# Altium PCB Inverter_540VDC_V2_TEST.PcbDoc
Units mm, origin at the board's own origin, x right, y up, seen from the top; angles counter-clockwise.
Board outline 100 x 100 mm, 2 copper layers (Top Layer, Bottom Layer), stack 2.071 mm thick; 124 components, 72 nets, 330 pads, 78 vias.
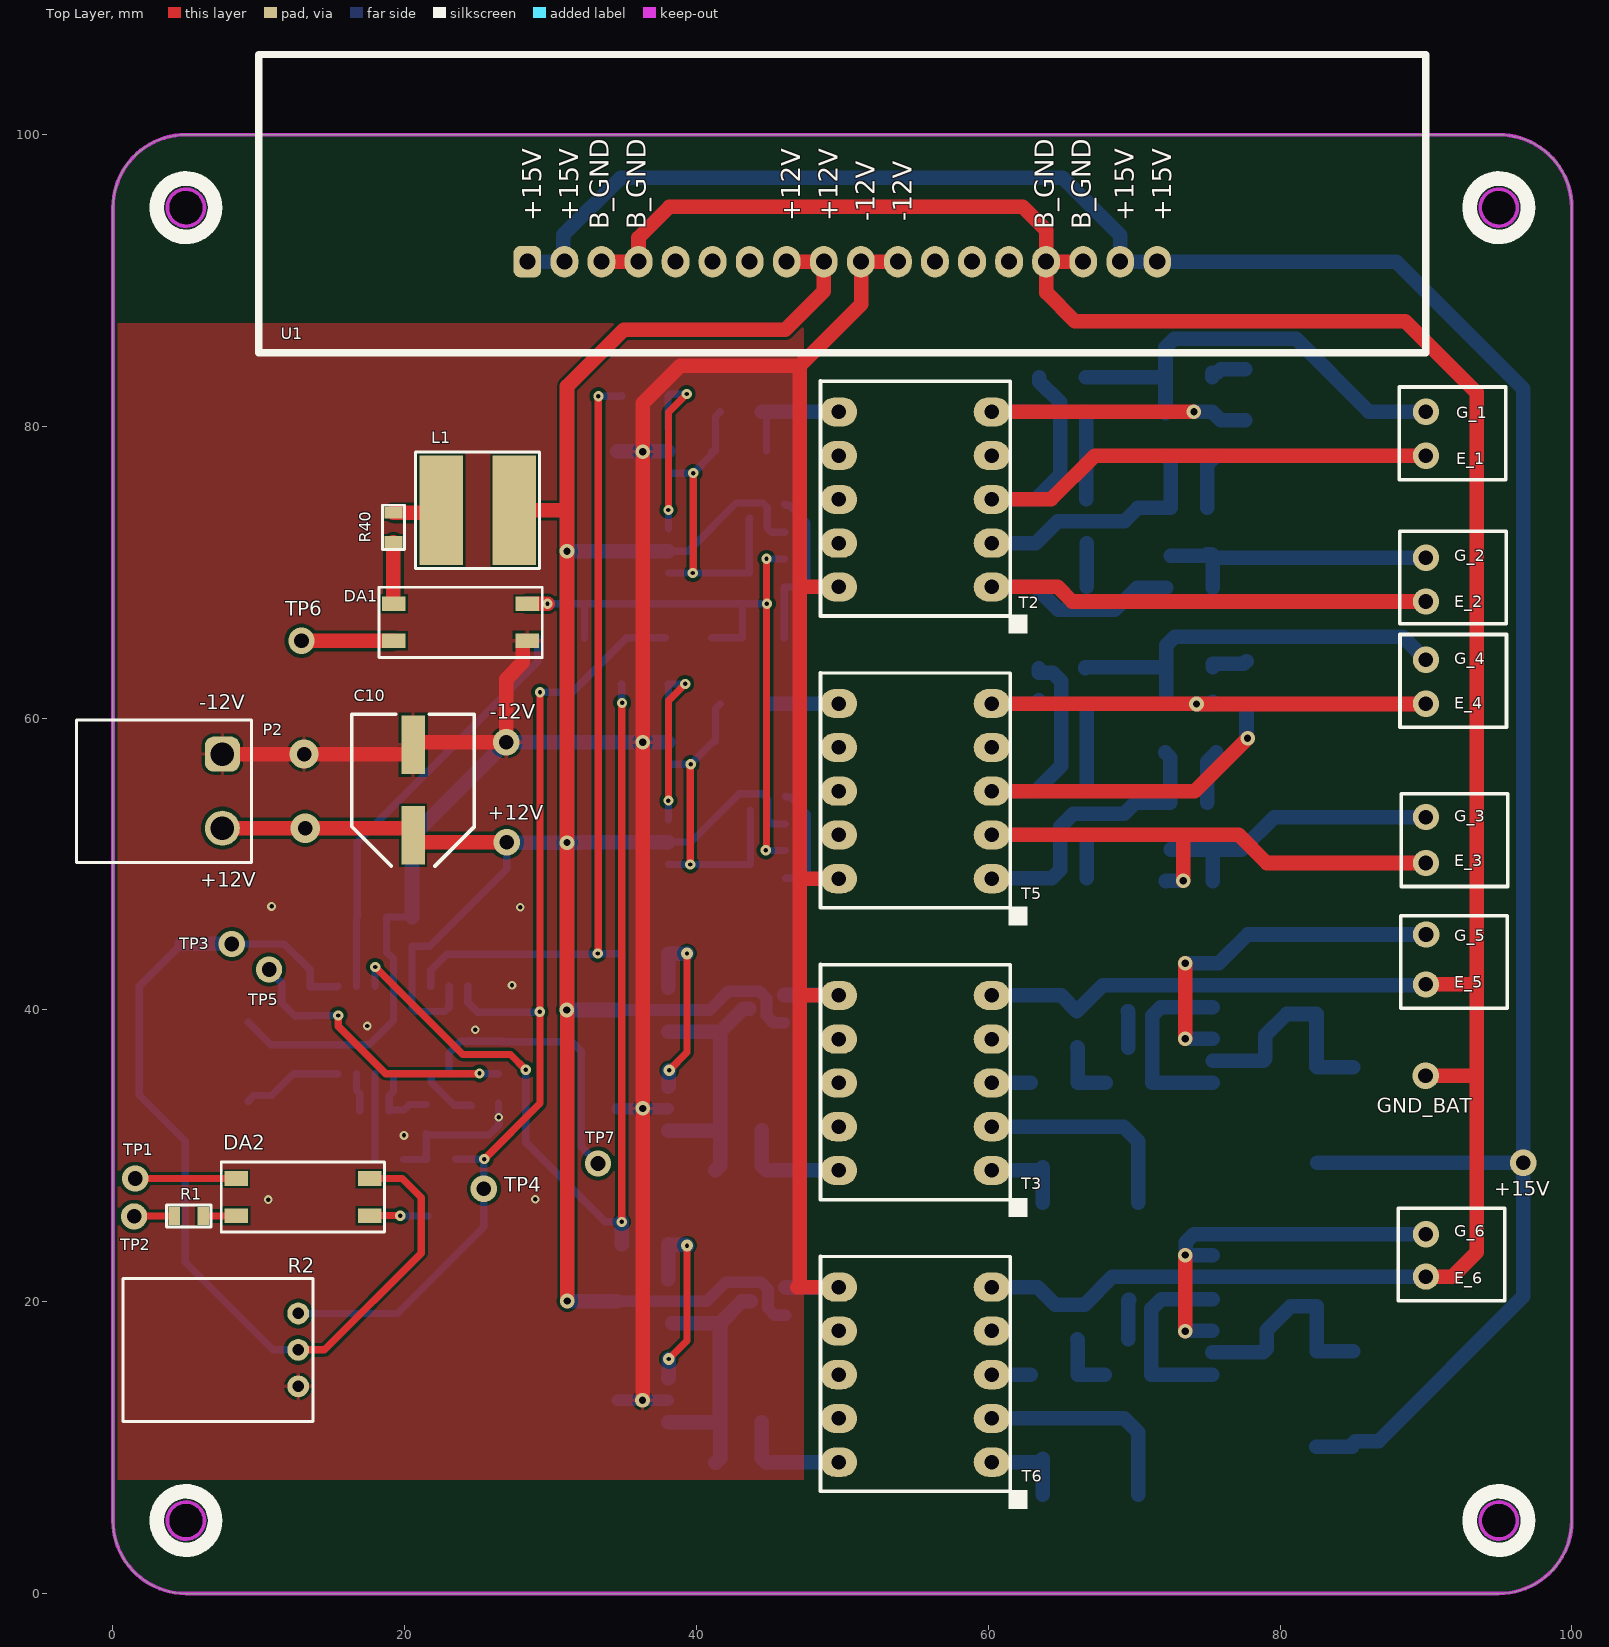
[diagram p0: Top Layer view]
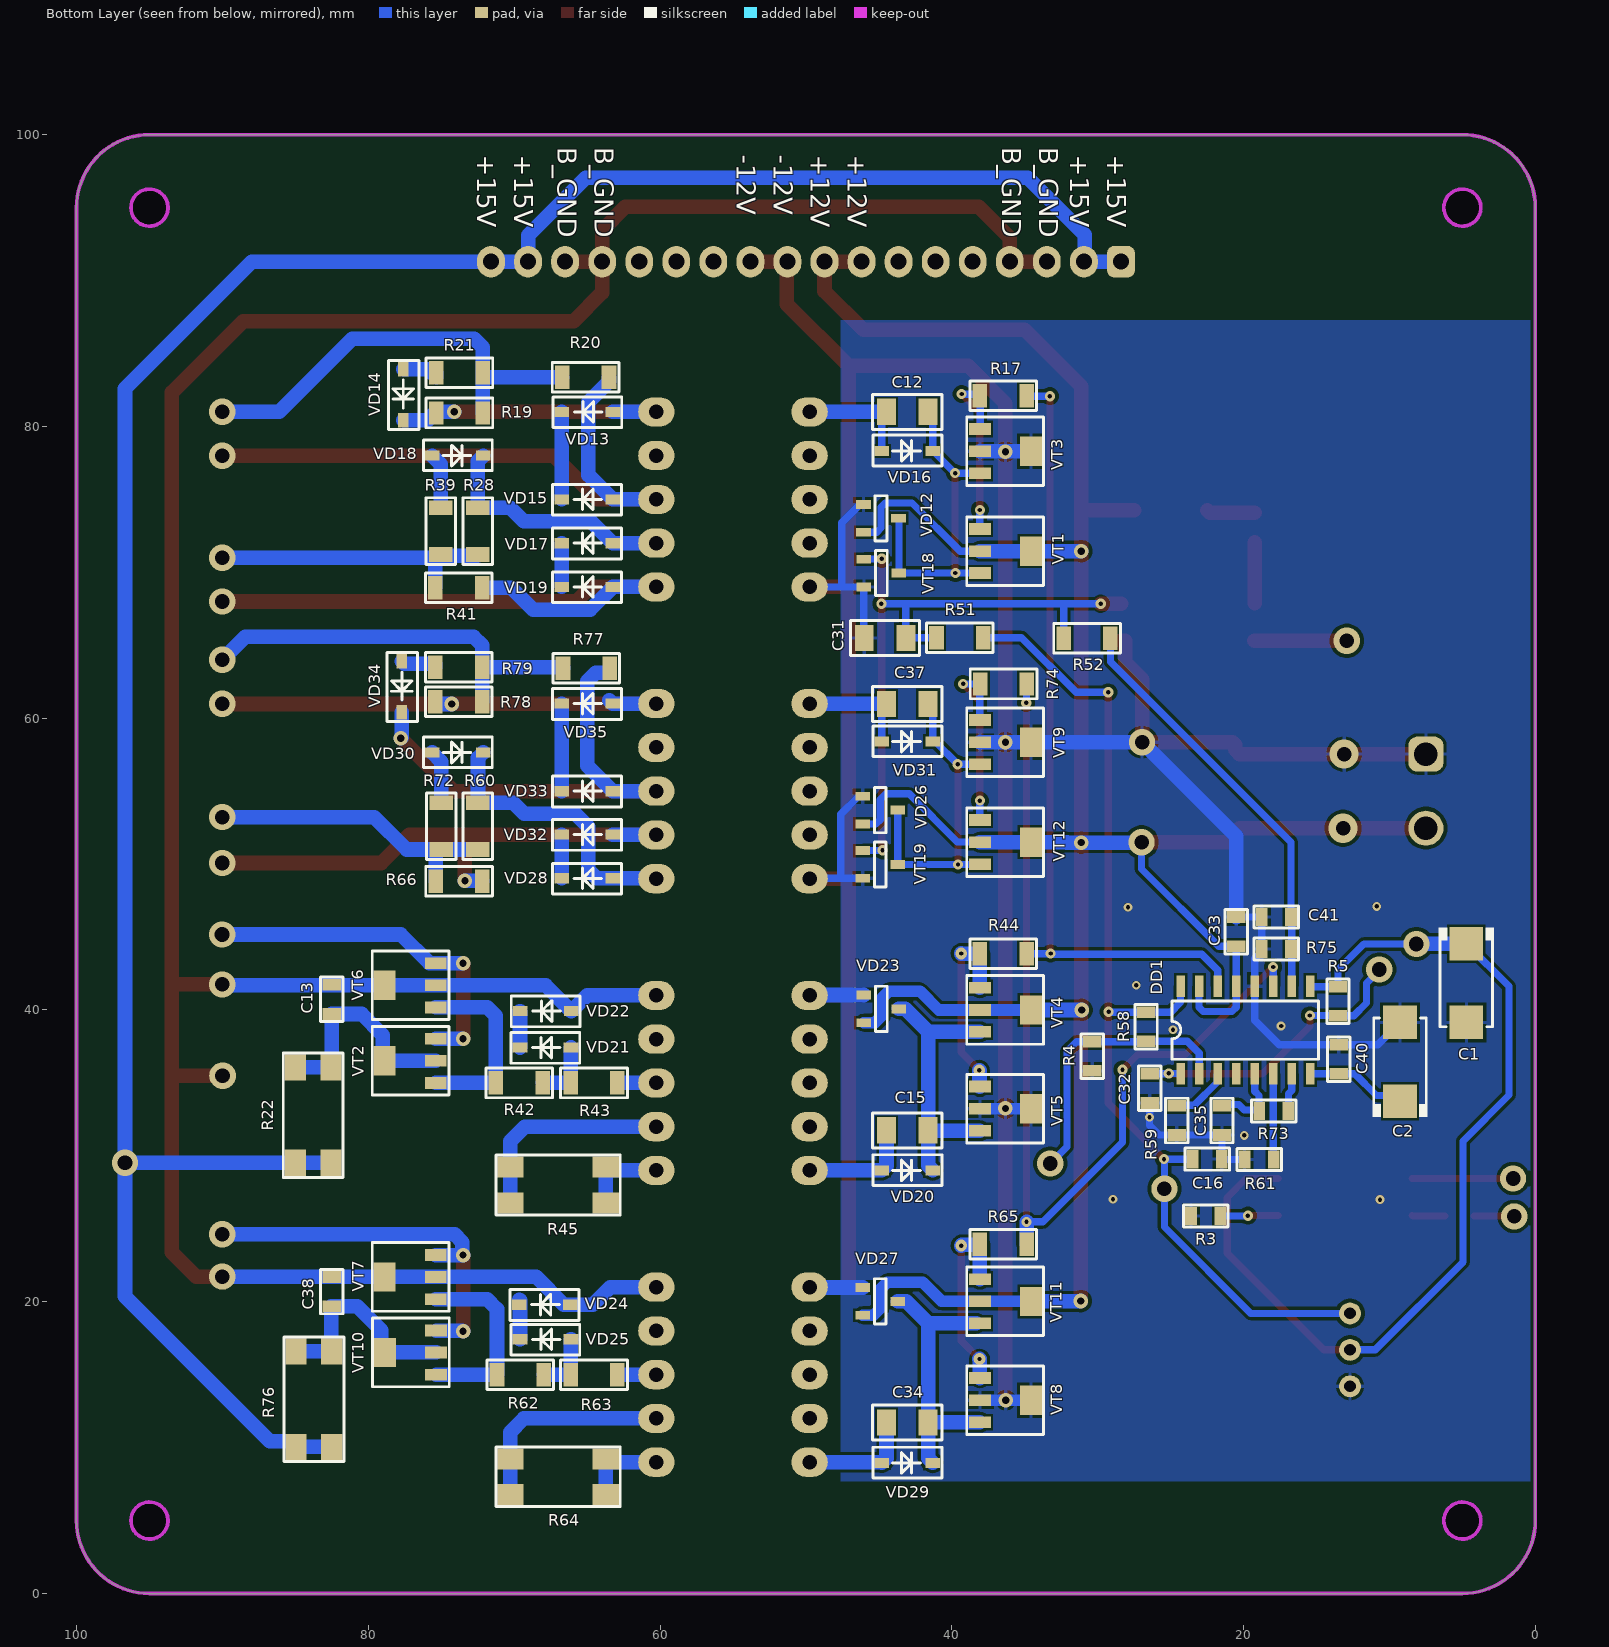
[diagram p1: Bottom Layer view, seen from below]
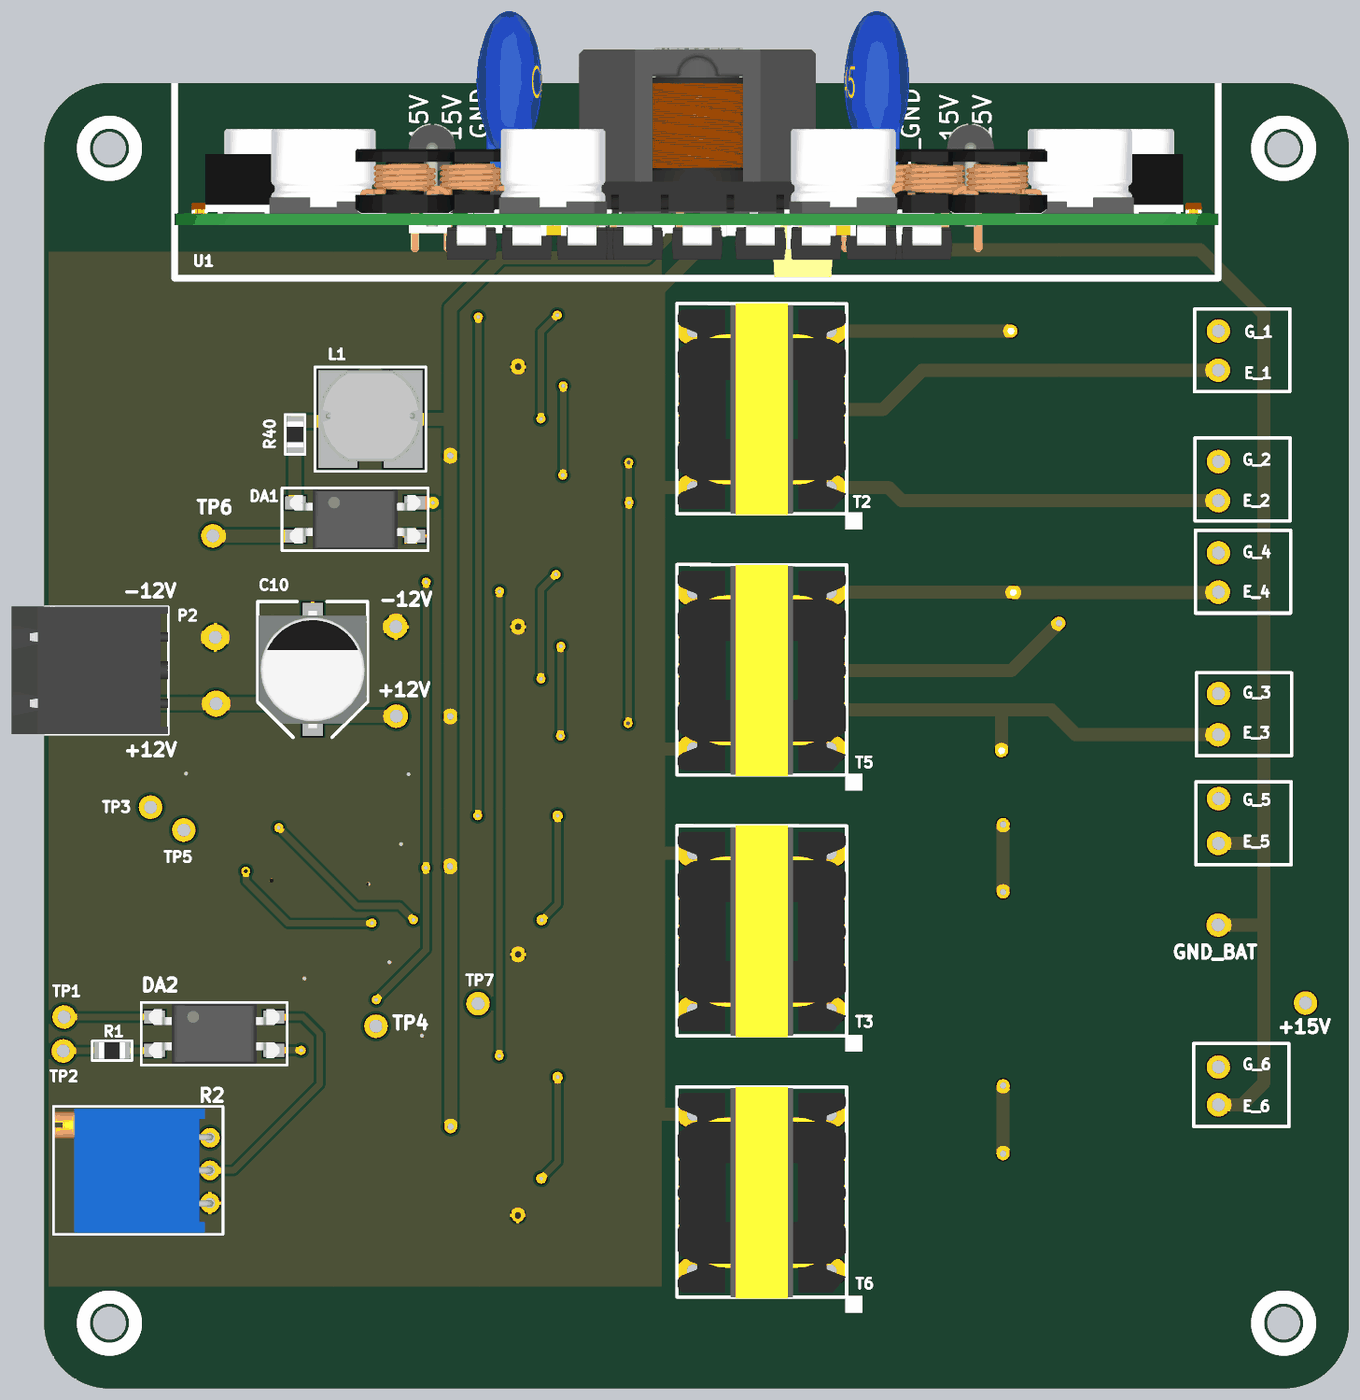
[diagram p2: 3D render of the assembled board from above, using the file's embedded part models]
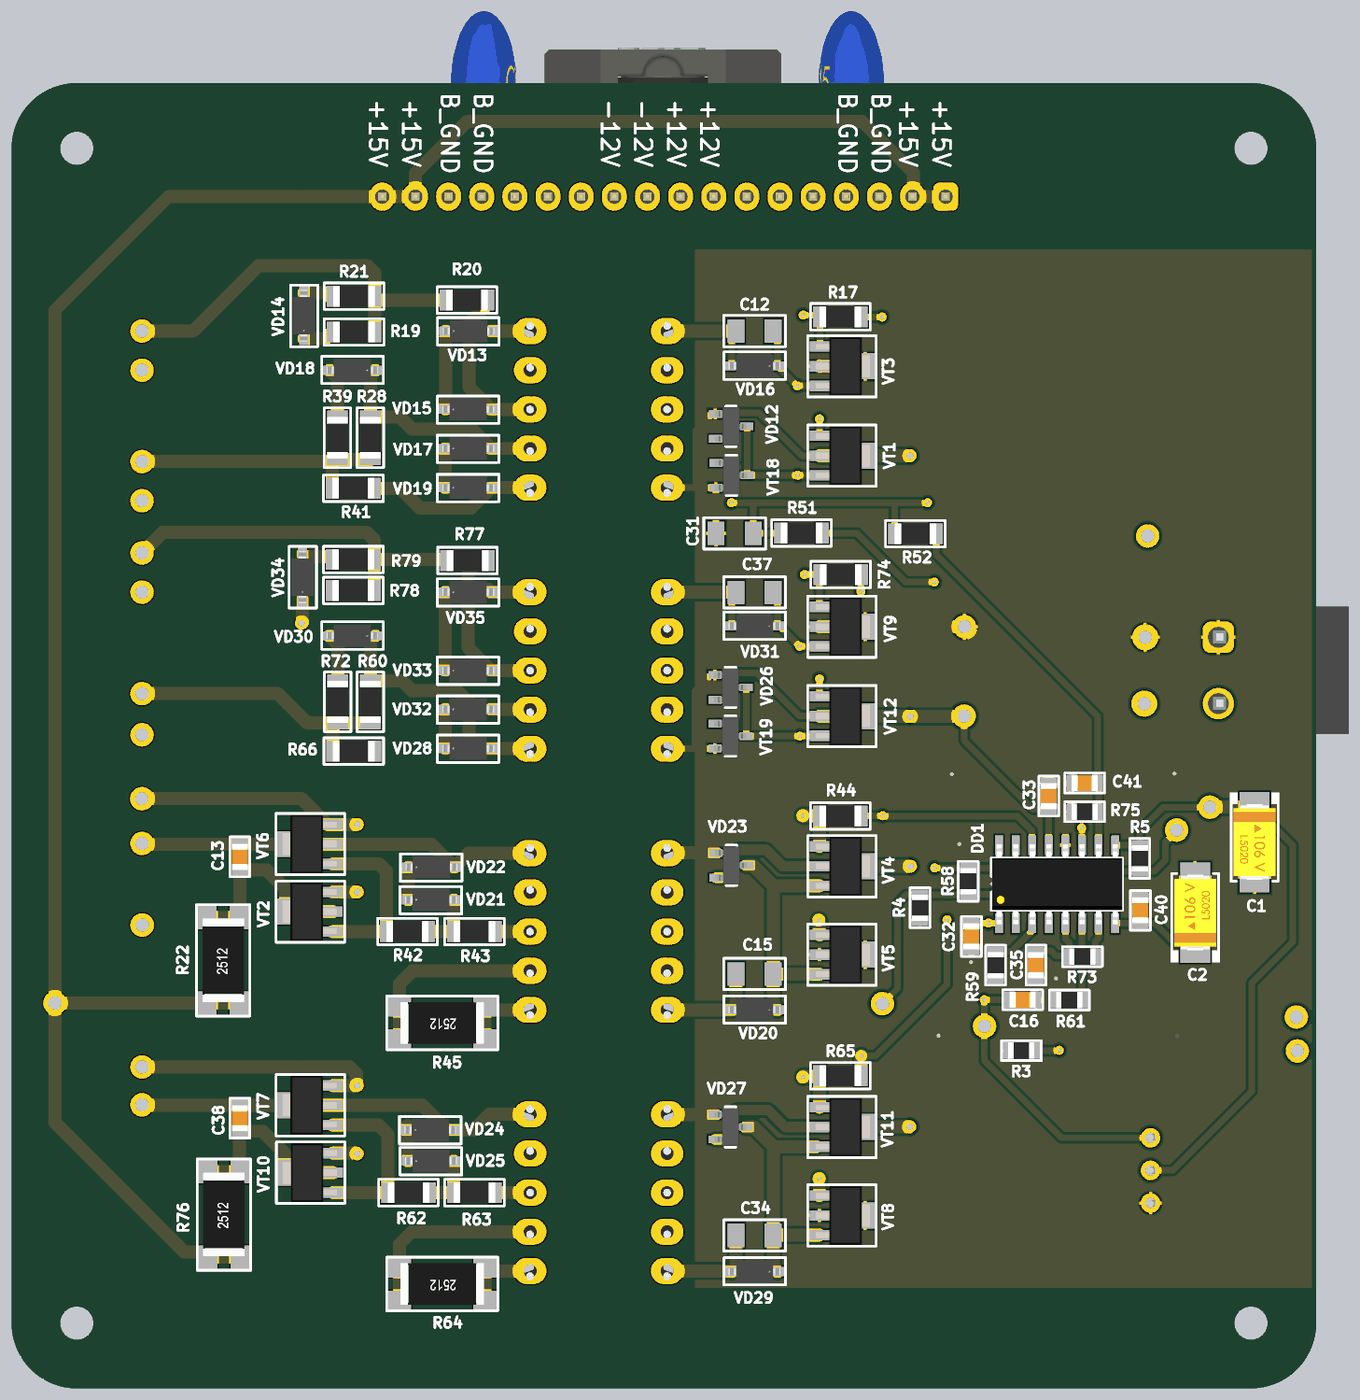
[diagram p3: 3D render of the assembled board from below, using the file's embedded part models]

## Layer stack, top to bottom
Top Solder: solder mask 0.0102, Solder Resist, Dk 3.5
Top Layer: signal copper 0.0356
Dielectric 1: dielectric 2, FR-4, Dk 4.8
Bottom Layer: signal copper 0.0356
Bottom Solder: solder mask 0.0102, Solder Resist, Dk 3.5

## Board outline
0,5.022 0,95 cw(c5,95) 5,100 95,100 cw(c95,95) 100,95 100,5 cw(c95,5) 95,0 5,0 cw(c5,5)
cut-out: 3.73,5 ccw(c5,5) 5,3.73 ccw(c5,5) 6.27,5 ccw(c5,5) 5,6.27 ccw(c5,5)
cut-out: 93.73,5 ccw(c95,5) 95,3.73 ccw(c95,5) 96.27,5 ccw(c95,5) 95,6.27 ccw(c95,5)
cut-out: 93.73,95 ccw(c95,95) 95,93.73 ccw(c95,95) 96.27,95 ccw(c95,95) 95,96.27 ccw(c95,95)
cut-out: 3.73,95 ccw(c5,95) 5,93.73 ccw(c5,95) 6.27,95 ccw(c5,95) 5,96.27 ccw(c5,95)

## Design rules (kind name [scope] priority, off if disabled: settings)
Clearance [All] p1: gap=0.254 ignorepadtopadclearanceinfootprint=TRUE except(0: THPad-Hole Via-Hole Fill-Hole Poly-Hole Region-Hole Text-Hole; 0.15: SMDPad-SMDPad SMDPad-THPad SMDPad-Via SMDPad-Fill SMDPad-Poly SMDPad-Region SMDPad-Text SMDPad-Hole; 0.2: Arc-Arc Arc-Track Arc-SMDPad Arc-THPad Arc-Via Arc-Fill Arc-Poly Arc-Region Arc-Text Arc-Hole Track-Track Track-SMDPad Track-THPad Track-Via Track-Fill Track-Poly Track-Region Track-Text Track-Hole Poly-Poly)
ComponentClearance [All] p1: gap=-5 collisioncheckmode=3 verticalgap=0.254 showdistances=FALSE
DiffPairsRouting [All] p1: maxlimit=5 minlimit=0.254 mostfreqgap=0.254 toplayer_minwidth=0.381 toplayer_maxwidth=0.381 toplayer_prefwidth=0.381 bottomlayer_minwidth=0.381 bottomlayer_maxwidth=0.381 bottomlayer_prefwidth=0.381 maxuncoupledlength=12.7
Height [All] p1: minheight=0 maxheight=150 prefheight=50
HoleToHoleClearance [All] p1: gap=0 allowstackedmicrovias=TRUE
MinimumSolderMaskSliver [All] p1: minsoldermaskwidth=0
PlaneClearance [All] p1: clearance=0.7
PlaneConnect [All] p1: planeconnectstyle=Relief reliefexpansion=0.5 reliefentries=4 reliefconductorwidth=0.254 reliefairgap=0.2
PolygonConnect [All] p1: connectstyle=Relief reliefconductorwidth=0.254 reliefentries=4 polygonreliefangle="90 Angle" airgapwidth=0.2
RoutingVias [All] p1: holewidth=0.711 width=1.27 viastyle="Through Hole" minholewidth=0.711 minwidth=1.27 maxholewidth=0.711 maxwidth=1.27
SilkToSilkClearance [All] p1: silktosilkclearance=0
SilkToSolderMaskClearance [IsPad] p1: minsilkscreentomaskgap=0 clearancetoexposedcopper=TRUE
SolderMaskExpansion [All] p1: expansion=0.102 istentingtop=FALSE
Width [All] p1: maxlimit=7 minlimit=0.254 preferedwidth=2 minimp=50.000000 maximp=50.000000 favimp=50.000000
21 further rules are at their usual default settings.

## Components (designator, comment, footprint, x,y, rotation, side; value= is the part's Value field where it differs from the comment)
+12V "Test_Point_PCB" Test_Point#1 26.989,51.5 r90 top
+15V "Test_Point_PCB" Test_Point#1 96.677,29.525 r90 top
-12V "Test_Point_PCB" Test_Point#1 26.956,58.35 r90 top
C1 "47uF" CAP-TAN-C 4.725,41.85 r270 bottom
C2 "47uF" CAP-TAN-C 9.275,36.45 r90 bottom
C10 "CAP-POLAR" CAPPOL_SMD_SIZE_E 20.575,55.075 r90 top
C12 "100nF" CAP-1206 43.05,81 r0 bottom
C13 "100nF" CAP-0805 82.5,40.725 r270 bottom locked
C15 "100nF" CAP-1206 43.05,31.75 r180 bottom locked
C16 "100nF" CAP-0805 22.5,29.775 r180 bottom
C31 "100nF" CAP-1206 44.575,65.5 r180 bottom
C32 "100nF" CAP-0805 26.425,34.625 r270 bottom
C33 "100nF" CAP-0805 20.5,45.375 r270 bottom
C34 "100nF" CAP-1206 43.05,11.725 r0 bottom locked
C35 "100nF" CAP-0805 21.475,32.425 r90 bottom
C37 "100nF" CAP-1206 43.05,60.975 r180 bottom
C38 "100nF" CAP-0805 82.5,20.7 r270 bottom locked
C40 "100nF" CAP-0805 13.475,36.625 r90 bottom
C41 "100nF" CAP-0805 17.75,46.375 r180 bottom
DA1 "PC817" 4-SMD 23.825,66.575 r0 top
DA2 "PC817" 4-SMD 13.025,27.175 r0 top
DD1 "SG3525" SO16-150 19.85,38.625 r90 bottom
E_1 "Test_Point_PCB" Test_Point#1 90,78 r90 top locked
E_2 "Test_Point_PCB" Test_Point#1 90,68 r90 top locked
E_3 "Test_Point_PCB" Test_Point#1 90,50.075 r90 top locked
E_4 "Test_Point_PCB" Test_Point#1 90,61 r90 top
E_5 "Test_Point_PCB" Test_Point#1 90,41.75 r0 top locked
E_6 "Test_Point_PCB" Test_Point#1 90,21.725 r0 top locked
G_1 "Test_Point_PCB" Test_Point#1 90,81 r0 top locked
G_2 "Test_Point_PCB" Test_Point#1 90,71 r90 top locked
G_3 "Test_Point_PCB" Test_Point#1 90,53.225 r90 top locked
G_4 "Test_Point_PCB" Test_Point#1 90,64 r90 top locked
G_5 "Test_Point_PCB" Test_Point#2 90.025,45.175 r90 top
G_6 "Test_Point_PCB" Test_Point#1 90,24.625 r90 top locked